# Allegro board zp-dic_pda_8ch_board_v001_166_20241018_1809.brd (continued)
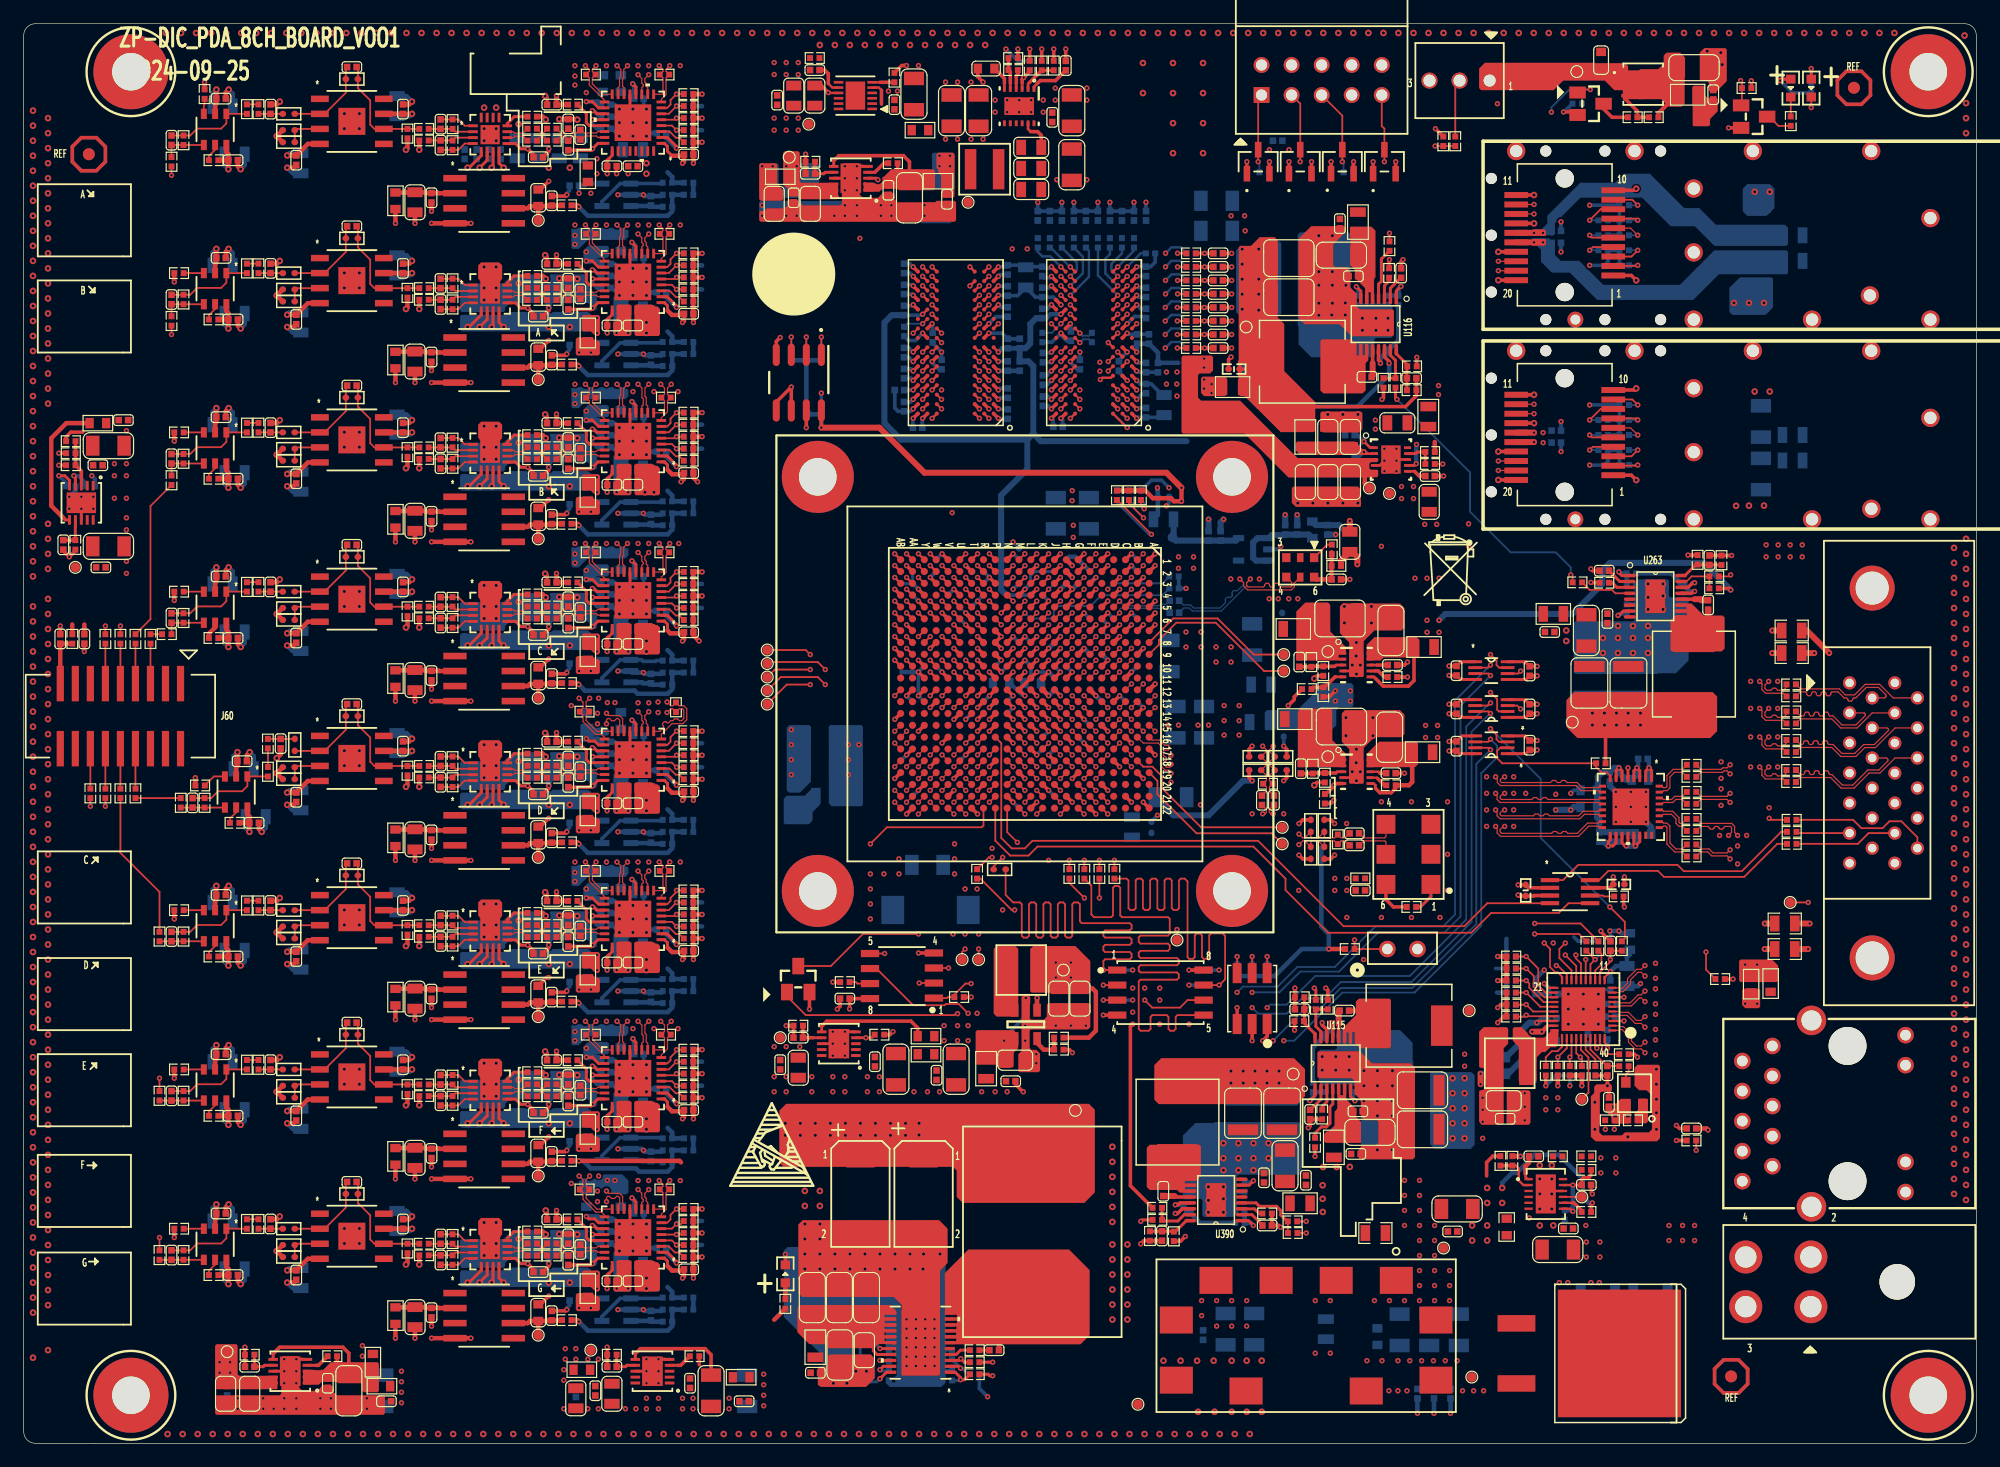
[diagram p0: board, top side]
## Routing (per net, layer and track width the routed paths; a pad name or vN(x,y) marks a point on that pad's centre or on a via; arc(x,y) is an arc through that point) (continued)
N23657901: length 2.4
  TOP w0.254: U341.4 4.37,81.65 v1(4.24,81.79)
  BOTTOM w0.305: R2668.2 5.23,81.17 4.62,81.79 v1(4.24,81.79)
N23657909: length 2.7
  TOP w0.254: U341.5 3.87,81.39 3.48,81.79 v1(2.97,81.79)
  BOTTOM w0.305: v1(2.97,81.79) 3.58,81.17 R3180.2
N23657913: length 2.7
  TOP w0.254: R2672.1 4.36,77.47 4.37,77.48 U341.7
  TOP w0.305: R2672.1 C3087.2
N23664417: length 119
  TOP w0.152: Q10.1 64.5,37.78 66.09,36.2 78.64,36.2 78.76,36.32 v1(78.91,36.32) ; R3011.2 v1(119.91,82.78)
  ART03 w0.102: v1(119.91,82.78) 120.57,82.12 120.57,73.79 122.73,71.63 122.73,60.58 123.35,59.96 125,59.96 128.55,56.41 128.55,46.66 123.62,41.73 123.62,40.58 122.41,39.37 122.41,33.54 v1(121.76,32.89)
  ART08 w0.102: v1(78.91,36.32) 78.91,35.94 79.36,35.5 79.36,35.01 79.85,34.52 91.84,34.52 93.19,33.17 112.42,33.17 113.46,32.13 121.38,32.13 121.76,32.51 v1(121.76,32.89)
N23714361: length 2.3
  TOP w0.305: U390.12 97.34,20.82 97.26,20.91
  TOP w0.508: 97.26,20.91 C3387.2
N23714381: length 3.7
  TOP w0.254: U390.15 98.06,19.32 97.53,18.8 96.29,18.8 R3201.2 R3188.2
N23714562: length 3
  TOP w0.254: v1(103.91,18.42) 103.5,18.82 U390.1
  BOTTOM w0.381: v1(103.91,18.42) 103.68,18.64 R3192.1 R3193.2
N23714578: length 2.1
  TOP w0.254: C3393.1 104.68,18.44 103.79,19.32 U390.2
N23714614: length 3.8
  TOP w0.254: R3191.1 C3392.1 97.16,17.93 R3197.1 97.32,17.9 98.25,18.82 U390.16
N23714631: length 7
  TOP w0.305: v1(97.31,20.16) 97.44,20.16 97.47,20.19 97.58,20.19 97.71,20.32 U390.13
  BOTTOM w0.381: R3192.2 99.41,18.64 C3394.1 97.88,20.16 v1(97.31,20.16)
N23714691: length 1.9
  TOP w0.254: U390.3 104,19.82 104.4,19.43 R3195.1
N23714693: length 1.9
  TOP w0.254: U390.7 103.55,21.82 v1(103.92,22.19)
  BOTTOM w0.305: v1(103.92,22.19) 103.79,22.07 R3196.2
N23716769: length 5.8
  TOP w0.152: R3189.2 106.82,17.79 R3198.2
  TOP w0.254: U390.4 104.14,20.32 104.43,20.04 105.87,20.04 106.22,19.69 106.22,19.3 106.76,18.77 R3189.2
N23718317: length 1.5
  TOP w0.356: R1198.1 138.14,112.44 138.93,113.23
N23718389: length 3.2
  TOP w0.305: Q20.4 135.3,113.67 136.36,112.61 R2129.1 R1198.2
N23718426: length 2.8
  TOP w0.305: R2129.2 134.21,112.09 133.5,112.8 Q21.3
N23718455: length 3
  TOP w0.152: v1(132.38,114.43) 132.37,114.44 131.56,114.44 Q21.1
  BOTTOM w0.152: R1196.1 R1197.1 131.71,114.43 v1(132.38,114.43)
N23721389: length 14.4
  TOP w0.152: TP158.1 104.82,65.28 100.74,69.36 97.39,69.36 95.93,67.9 95.93,67.52 U1.A9
N23721398: length 13.5
  TOP w0.152: U1.A8 97.14,69.72 100.88,69.72 103.93,66.68 TP159.1
N23755096: length 9.9
  TOP w0.254: U391.6 21.08,7.57
  TOP w0.305: 21.08,7.57 21.64,8.13 26.97,8.13 27.48,7.62 C3413.1 ; 26.48,6.62 R3204.2
N23755194: length 2
  TOP w0.254: 24.68,6.6 U391.4
  TOP w0.305: 24.68,6.6 24.91,6.6 R3204.1
N23755206: length 2.6
  TOP w0.254: U391.7 20.36,6.6 20.24,6.48 C3418.1 R3203.1
N23756584: length 2
  TOP w0.203: U392.5 72.27,114.59 72.49,114.38
  TOP w0.305: 72.49,113.21 72.49,114.38
N23756696: length 1.9
  TOP w0.203: U392.6 72.35,115.04
  TOP w0.305: 72.35,115.04 73.58,115.04 R3205.2
N23756700: length 2.7
  TOP w0.203: U392.8 68.33,114.59 67.99,114.94
  TOP w0.305: C3424.1 67.69,116.08 67.99,115.77 67.99,114.94
N23798265: length 2.8
  TOP w0.229: 85.1,110.87 84.87,111.1 U236.11
  TOP w0.305: 85.1,110.87 85.68,110.87 85.99,110.57 C2089.1
N23798472: length 2.1
  TOP w0.229: U236.6 82.87,114.95
  TOP w0.305: C2087.1 82.87,115.36 82.87,114.95
N23798476: length 1.7
  TOP w0.229: U236.4 83.87,114.94
  TOP w0.305: 83.87,114.94 83.87,115.57 84.01,115.72 R1882.1
N23798530: length 2.7
  TOP w0.229: U236.5 83.37,114.96
  TOP w0.305: 83.37,114.96 83.37,115.92 R1882.2 R1883.1
N23798539: length 3.4
  TOP w0.229: U236.1 85.37,114.66 85.64,114.94
  TOP w0.305: C2088.2 87.19,115.19 85.9,115.19 85.64,114.94
N23798561: length 2.7
  TOP w0.229: U236.3 84.37,114.98
  TOP w0.305: R1885.2 85.01,115.95 v1(84.5,115.44) 84.37,115.31 84.37,114.98
  BOTTOM w0.305: v1(84.5,115.44) 85.01,115.95 R1885.2
N23813860: length 3.4
  TOP w0.152: J60.3 R2651.2
N23814056: length 3.4
  TOP w0.152: J60.15 R3254.2
N23814140: length 3.4
  TOP w0.152: J60.4 R2652.2
N23814224: length 3.4
  TOP w0.152: J60.14 R3253.2
N23814369: length 3.4
  TOP w0.152: J60.5 R2653.2
N23814372: length 3.4
  TOP w0.152: 6.9,64.22 R2654.2
N23814379: length 3.4
  TOP w0.152: J60.12 R3251.2
N23814382: length 3.4
  TOP w0.152: 6.9,58.72 R3252.2
N23828553: length 9.6
  TOP w0.254: U127.6 68.45,108.41
  TOP w0.305: C3051.1 74.85,108.33 74.34,108.84 68.88,108.84 68.45,108.41 ; 73.85,107.55 R3255.1
N23828667: length 2
  TOP w0.254: 71.92,107.43 U127.4
  TOP w0.305: 71.92,107.43 72.69,108.2 R3255.2
N23828679: length 2.6
  TOP w0.254: R2254.1 C3015.1 67.61,107.32 67.73,107.43 U127.7
N23834386: length 3.8
  TOP w0.152: U345.2 36.48,57.02 R3260.1 C3523.1 R3261.2
N23834390: length 3
  TOP w0.152: C3523.2 R3260.2 36.73,58.06 37.27,57.52 U345.1
N23834446: length 3.8
  TOP w0.152: R3262.2 C3524.1 R3263.1 36.48,56.52 U345.3
N23834468: length 3
  TOP w0.152: U345.4 37.27,56.02 36.73,55.48 R3263.2 C3524.2
N23835709: length 3.8
  TOP w0.152: R3265.2 C3525.1 R3264.1 36.48,83.94 U349.2
N23835713: length 3
  TOP w0.152: C3525.2 R3264.2 36.73,84.98 37.27,84.44 U349.1
N23835769: length 3.8
  TOP w0.152: R3266.2 C3526.1 R3267.1 36.48,83.44 U349.3
N23835791: length 3
  TOP w0.152: C3526.2 R3267.2 36.73,82.4 37.27,82.94 U349.4
N23836504: length 3.8
  TOP w0.152: R3269.2 C3527.1 R3268.1 36.48,43.56 U352.2
N23836508: length 3
  TOP w0.152: C3527.2 R3268.2 36.73,44.6 37.27,44.06 U352.1
N23836564: length 3.8
  TOP w0.152: R3270.2 C3528.1 R3271.1 36.48,43.06 U352.3
N23836586: length 3
  TOP w0.152: U352.4 37.27,42.56 36.73,42.02 R3271.2 C3528.2
N23837542: length 3.8
  TOP w0.152: U355.2 36.48,97.4 R3272.1 C3529.1 R3273.2
N23837546: length 3
  TOP w0.152: C3529.2 R3272.2 36.73,98.44 37.27,97.91 U355.1
N23837602: length 3.8
  TOP w0.152: U355.3 36.48,96.91 R3275.1 C3530.1 R3274.2
N23837624: length 3
  TOP w0.152: U355.4 37.27,96.4 36.73,95.87 R3275.2 C3530.2
N23838396: length 3.8
  TOP w0.152: R3277.2 C3531.1 R3276.1 36.48,30.09 U359.2
N23838400: length 3
  TOP w0.152: C3531.2 R3276.2 36.73,31.13 37.27,30.6 U359.1
N23838456: length 3.8
  TOP w0.152: U359.3 36.48,29.6 R3279.1 C3532.1 R3278.2
N23838478: length 3
  TOP w0.152: C3532.2 R3279.2 36.73,28.56 37.27,29.09 U359.4
N23839613: length 3.8
  TOP w0.152: U360.2 36.48,110.87 R3280.1 C3533.1 R3281.2
N23839617: length 3
  TOP w0.152: C3533.2 R3280.2 36.73,111.91 37.27,111.37 U360.1
N23839673: length 3.8
  TOP w0.152: R3282.2 C3534.1 R3283.1 36.48,110.37 U360.3
N23839695: length 3
  TOP w0.152: C3534.2 R3283.2 36.73,109.33 37.27,109.87 U360.4
N23840487: length 3.8
  TOP w0.152: R3285.2 C3535.1 R3284.1 36.48,16.63 U364.2
N23840491: length 3
  TOP w0.152: U364.1 37.27,17.13 36.73,17.67 R3284.2 C3535.2
N23840547: length 3.8
  TOP w0.152: U364.3 36.48,16.13 R3287.1 C3536.1 R3286.2
N23840569: length 3
  TOP w0.152: C3536.2 R3287.2 36.73,15.09 37.27,15.63 U364.4

## Copper pours and planes (outline as drawn; the poured copper is in the pictures)
GND on TOP (solid shape): 113.12,87.1 113.12,85.7 112.87,85.45 109.82,85.45 109.57,85.7 109.57,87.1 109.68,87.21 113.01,87.21
GND on TOP (solid shape): 113,80.62 113,79.22 112.93,79.16 107.5,79.16 107.15,79.5 107.15,80.75 107.28,80.87 112.74,80.87
GND on TOP (solid shape): 148.26,40.39 148.26,39.12 148.13,38.99 145.08,38.99 144.95,39.12 144.95,40.77 145.08,40.89 147.75,40.89
GND on TOP (solid shape): 143.91,117.81 143.91,115.14 143.02,114.25 142.52,114.25 142.39,114.38 142.39,115.01 142.26,115.14 141.75,115.14 141.63,115.27 141.63,117.55 142.01,117.93 143.79,117.93
GND on TOP (solid shape): 116.68,70.61 116.68,68.96 116.43,68.71 114.14,68.71 113.24,67.81 113.24,67.58 113.23,67.56 113.23,64.9 113.12,64.8 112.11,64.8 112.01,64.9 112.01,67.69 111.22,68.48 111.22,70.74 111.47,70.99 116.3,70.99
GND on TOP (solid shape): 116.68,61.6 116.68,59.94 116.43,59.69 114.14,59.69 113.24,58.79 113.24,58.56 113.23,58.55 113.23,55.88 113.12,55.78 112.11,55.78 112.01,55.88 112.01,58.67 111.38,59.3 111.38,61.71 111.65,61.98 116.3,61.98
GND on TOP (solid shape): 85.06,37.72 85.06,37.11 85.01,37.06 85.01,35.94 85.13,35.81 86.2,35.81 86.45,36.07 86.45,37.08 86.58,37.21 90.01,37.21 90.14,37.08 90.14,35.18 89.93,34.98 85.11,34.98 85.01,34.87 85.01,33.43 85.17,33.26 85.58,33.26 85.88,32.96 85.88,31.5 85.76,31.37 84.17,31.37 84.04,31.5 84.04,32.89 84.32,33.17 84.32,37.74 84.42,37.85 84.93,37.85
GND on TOP (solid shape): 111.71,102.77 111.71,102.39 110.66,101.35 110.66,99.57 110.79,99.44 111.74,99.44 112.11,99.07 112.11,97.71 112.64,97.18 112.63,97.12 112.63,96.43 112.64,96.37 112.64,96.11 112.89,95.86 115.66,95.86 115.79,95.73 115.79,93.7 115.66,93.57 112.2,93.57 111.18,94.59 108.25,94.59 107.73,95.11 107.73,101.82 108.8,102.89 111.59,102.89
GND on TOP (solid shape): 113.92,32.13 117.19,32.13 117.57,31.75 117.57,24.18 117.39,24 112.95,24 112.82,24.13 112.82,24.89 113.08,25.15 114.22,25.15 114.47,25.4 114.47,27.18 114.35,27.31 113.38,27.31 113,27.69 113,29.01 112.47,29.54 112.47,29.6 112.47,30.29 112.47,30.35 112.47,30.61 112.21,30.86 109.44,30.86 109.31,30.99 109.31,33.02 109.44,33.15 112.91,33.15
GND on TOP (solid shape): 23.14,7.37 23.16,7.36 23.18,7.35 23.27,7.25 23.28,7.24 23.29,7.22 23.29,6.2 23.29,4.97 23.29,4.72 23.29,4.7 23.3,4.68 23.53,4.46 23.54,4.45 23.56,4.45 24.79,4.45 24.81,4.45 24.83,4.46 25.3,4.94 25.32,4.95 25.34,4.95 25.93,4.95 25.95,4.95 25.97,4.94 26.19,4.71 26.21,4.7 26.21,4.68 26.21,4.34 26.21,4.32 26.22,4.3 26.45,4.08 26.46,4.07 26.48,4.06 28.64,4.06 30,4.06 30.38,4.06 30.4,4.06 30.41,4.05 30.51,3.95 30.52,3.94 30.53,3.92 30.53,2.56 30.52,2.54 30.51,2.53 30.41,2.43 30.4,2.42 30.38,2.41 16.32,2.41 16.3,2.42 16.29,2.43 16.19,2.53 16.18,2.54 16.18,2.56 16.18,3.92 16.18,3.94 16.19,3.95 16.29,4.05 16.3,4.06 16.32,4.06 21.62,4.06 21.64,4.07 21.65,4.08 21.75,4.18 21.76,4.19 21.76,4.21 21.76,4.59 21.76,5.97 21.76,7.22 21.77,7.24 21.78,7.25 21.88,7.35 21.89,7.36 21.91,7.37
GND on TOP (solid shape): outline of 100 points within 62.15,103.25 78.79,108.2
GND on BOTTOM (solid shape): 66.51,60.58 66.51,55.93 65.58,54.99 64.69,54.99 64.48,55.2 64.48,60.5 64.69,60.71 66.39,60.71
GND on BOTTOM (solid shape): 107.98,26.89 107.98,22.83 107.86,22.7 102.65,22.7 102.52,22.58 102.52,19.4 102.27,19.15 99.73,19.15 99.6,19.27 99.6,20.54 99.47,20.67 98.08,20.67 97.95,20.8 97.95,26 99.03,27.08 100.55,27.08 100.62,27.15 107.73,27.15
GND on BOTTOM (solid shape): 139.04,72.9 139.04,71.63 139.16,71.5 140.56,71.5 140.69,71.38 140.69,66.17 139.61,65.09 138.08,65.09 138.02,65.03 131.11,65.03 130.99,65.15 130.98,65.15 130.98,69.35 131.11,69.47 135.99,69.47 136.11,69.6 136.11,72.77 136.37,73.03 138.91,73.03
GND on BOTTOM (solid shape): 112.11,102.19 112.11,96.49 112.23,96.37 115.41,96.37 115.66,96.11 115.66,93.57 115.54,93.45 114.27,93.45 114.14,93.32 114.14,91.92 114.01,91.8 108.81,91.8 107.73,92.88 107.73,94.4 107.66,94.46 107.66,102.15 107.87,102.36 111.93,102.36
GND on BOTTOM (solid shape): 117.38,33.85 117.38,32.32 117.44,32.26 117.44,24.69 117.31,24.55 113.46,24.55 113,25.02 113,30.23 112.87,30.35 109.69,30.35 109.44,30.61 109.44,33.15 109.57,33.27 110.84,33.27 110.96,33.4 110.96,34.8 111.09,34.93 116.3,34.93
GND on BOTTOM (solid shape): outline of 91 points within 64.23,4.77 77.91,16.6
GND on TOP: 64.69,31.37 64.18,31.88 63.29,31.88 63.17,31.75 63.17,29.46 63.29,29.34 79.8,29.34 79.93,29.46 79.93,30.86 79.8,30.99 72.82,30.99 72.56,31.24 72.56,32 72.44,32.13 69.77,32.13 69.64,32.26 69.64,34.93 69.52,35.05 68.25,35.05 68.12,34.93 68.12,31.62 67.86,31.37
GND on TOP: 7.92,75.06 7.54,74.68 6.78,74.68 6.65,74.55 6.65,73.41 6.78,73.28 9.06,73.28 9.19,73.41 9.19,86.74 9.06,86.87 8.68,86.87 8.56,86.74 8.56,85.98 8.43,85.85 8.3,85.85 8.05,85.6 8.05,85.47 7.67,85.09 7.67,83.44 7.41,83.19 6.52,83.19 6.4,83.06 6.4,80.39 6.27,80.26 3.73,80.26 3.6,80.14 3.6,78.87 3.73,78.74 7.67,78.74 7.92,78.49
GND on TOP: 137.89,68.55 137.89,65.28 137.51,64.9 131.34,64.9 129.08,67.16 129.08,68.83 129.21,68.96 133.07,68.96 133.57,69.47 134.77,69.47 135.3,70 135.36,70 136.05,70 136.11,70 136.37,70 136.62,70.25 136.62,73.03 136.75,73.16 138.78,73.16 138.91,73.03 138.91,69.56
GND on TOP: 163.24,19.94 163.24,44.96 162.48,45.72 162.48,76.2 162.86,76.58 163.5,76.58 163.75,76.84 164.26,76.84 164.49,76.6 164.49,19.94
GND on TOP: 108,76.84 107.11,75.95 107.11,74.68 106.98,74.55 102.79,74.55 102.15,73.91 101.77,73.91 101.52,74.17 101.52,76.2 102.41,77.09 106.09,77.09 106.22,77.22 106.22,78.49 106.35,78.61 107.74,78.61 108,78.36
GND on TOP: 49.07,3.81 52.24,3.81 52.37,3.94 52.37,7.24 52.5,7.37 53.77,7.37 53.89,7.24 53.89,4.7 54.15,4.45 55.42,4.45 55.93,4.95 56.56,4.95 56.82,4.7 56.82,4.32 57.07,4.06 60.63,4.06 60.75,3.94 60.75,2.54 60.63,2.41 45.51,2.41 45.39,2.54 45.39,3.3 45.51,3.43 47.42,3.43 47.67,3.68 47.67,4.19 47.8,4.32 48.56,4.32
GND on TOP: 100.74,23.63 100.74,26.89 101.12,27.27 107.3,27.27 108.27,26.31 108.27,24.75 108.63,24.38 108.63,22.48 108.5,22.35 108.12,22.35 108,22.48 108,23.08 107.87,23.21 105.57,23.21 105.06,22.7 103.86,22.7 103.34,22.17 103.27,22.18 102.59,22.18 102.52,22.17 102.27,22.17 102.01,21.92 102.01,19.15 101.89,19.02 99.85,19.02 99.73,19.15 99.73,22.61
GND on TOP: 67.61,114.3 64.31,114.3 64.18,114.17 64.18,113.79 64.05,113.67 63.17,113.67 63.04,113.79 63.04,117.35 63.17,117.48 66.59,117.48 66.72,117.35 66.72,115.57 66.85,115.44 67.61,115.44 67.74,115.32 67.74,114.43
GND on TOP: 95.85,15.49 103.3,15.49 103.68,15.11 103.68,9.53 103.04,8.89 95.98,8.89 95.72,9.14 95.72,15.37
GND on TOP: 87.17,107.57 87.04,107.44 87.04,106.3 87.17,106.17 90.09,106.17 90.22,106.3 90.22,107.44 90.09,107.57
GND on TOP: 74.09,114.43 73.96,114.55 72.94,114.55 72.82,114.43 72.82,113.41 72.94,113.28 73.96,113.28 74.09,113.41
GND on TOP: 119.58,77.58 119.58,79.02 119.45,79.15 118.08,79.15 117.9,78.97 117.9,77.58 118.11,77.37 119.38,77.37
GND on TOP: 51.35,109.6 51.23,109.73 50.21,109.73 50.08,109.6 50.08,108.38 49.83,108.13 49.83,107.19 49.96,107.06 51.23,107.06 51.35,107.19
GND on TOP: 107.11,48.77 107.11,52.71 107.36,52.96 107.74,52.96 108,52.71 108,49.02 109.9,47.12 112.7,47.12 112.82,46.99 112.82,45.09 113.2,44.7 119.17,44.7 120.06,45.59 120.06,51.31 119.81,51.56 118.16,51.56 118.03,51.69 118.03,53.47 117.9,53.59 113.84,53.59 112.31,52.07 111.17,52.07 111.04,52.2 111.04,52.58 113.08,54.61 120.44,54.61 120.7,54.36 120.7,44.96 119.93,44.2 111.68,44.2
GND on TOP: 74.34,114.81 75.99,114.81 76.12,114.94 76.12,116.84 75.99,116.97 74.34,116.97 74.21,116.84 74.21,114.94
GND on TOP: 95.11,107.25 91.74,110.62 91.74,118.49 91.36,118.87 11.73,118.87 11.6,119 11.6,119.36 11.73,119.49 164,119.49 164.35,119.35 164.49,119 164.49,110.74 164.16,110.41 161.8,110.41 153.34,118.87 135.05,118.87 133.52,117.35 132.76,117.35 131.24,118.87 101.65,118.87 101.27,118.49 101.27,107.95 100.57,107.25
GND on TOP: 82.6,113.92 81.2,115.32 77.14,115.32 77.01,115.19 77.01,113.54 77.14,113.41 81.2,113.41 81.83,112.78 81.83,112.4 81.96,112.27 83.61,112.27 83.74,112.14 83.74,111.38 83.87,111.25 84.37,111.25 84.5,111.38 84.5,112.14 84.63,112.27 87.3,112.27 87.42,112.4 87.42,113.16 87.55,113.28 90.09,113.28 90.22,113.41 90.22,114.81 90.09,114.94 86.66,114.94 85.64,113.92
GND on TOP: 0.55,6.86 0.51,6.9 0.51,112.98 0.55,113.03 1.44,113.03 2.33,112.14 2.33,87.5 1.19,86.36 1.19,79.25 2.33,78.11 2.33,7.75 1.44,6.86
GND on TOP: 114.07,85.45 115.52,85.45 115.65,85.57 115.65,86.94 115.47,87.12 114.07,87.12 113.87,86.92 113.87,85.65
GND on TOP: 104.06,0.76 104.06,1.02 103.93,1.14 11.86,1.14 11.73,1.02 11.73,0.64 11.86,0.51 103.81,0.51
GND on TOP: 40.43,113.03 40.43,111.89 40.25,111.71 40.25,109.91 40.18,109.83 38.65,109.83 38.58,109.91 38.58,111.7 38.58,111.73 38.4,111.91 38.4,113.03 38.65,113.28 40.18,113.28
GND on TOP: 101.52,76.2 101.52,73.03 103.42,71.12 107.74,71.12 108,71.37 108,71.5 113.84,71.5 114.22,71.88 114.22,78.11 113.71,78.61 106.98,78.61 106.85,78.49 106.85,76.84 107.11,76.58 111.04,76.58 111.17,76.71 111.17,77.6 111.3,77.72 112.82,77.72 113.33,77.22 113.33,73.53 113.2,73.41 112.06,73.41 111.93,73.28 111.93,72.64 111.68,72.39 108.12,72.39 107.49,71.76 103.3,71.76 102.28,72.77 102.28,76.2 102.15,76.33 101.65,76.33
GND on BOTTOM: 61.9,2.29 59.48,2.29 59.36,2.41 59.36,3.94 59.48,4.06 61.9,4.06 62.02,3.94 62.02,2.41
GND on BOTTOM: 87.01,99.21 85.34,99.21 85.16,99.03 84.07,99.03 83.76,99.34 82.8,99.34 82.64,99.19 82.16,99.19 82.06,99.29 82.06,101.04 82.26,101.24 84.98,101.24 85.16,101.07 85.16,100.23 85.51,99.87 86.83,99.87 87.09,99.62 87.09,99.29
GND on BOTTOM: 97.84,55.5 99.74,55.5 99.87,55.37 99.87,53.59 99.74,53.47 97.96,53.47 97.84,53.59
GND on BOTTOM: 124.68,34.04 125.06,34.04 125.19,34.16 125.19,35.31 124.81,35.69 124.81,37.08 124.68,37.21 124.55,37.21 124.3,36.96 124.3,34.42
GND on BOTTOM: 145.64,89.55 147.56,89.55 147.95,89.17 147.95,87.53 147.29,86.88 145.64,86.88 145.25,87.26 145.25,89.17
GND on BOTTOM: 126.46,31.24 126.46,28.32 126.59,28.19 127.86,28.19 127.98,28.32 127.98,31.24 127.86,31.37 126.59,31.37
GND on BOTTOM: 66.09,31.37 63.17,31.37 63.04,31.24 63.04,29.59 63.17,29.46 66.09,29.46 66.21,29.59 66.21,31.24
GND on BOTTOM: 52.88,113.16 50.21,113.16 50.08,113.03 50.08,110.62 49.83,110.36 49.83,107.19 49.96,107.06 51.23,107.06 51.35,107.19 51.35,107.7 51.1,107.95 51.1,109.98 51.35,110.24 52.88,110.24 53.01,110.36 53.01,113.03
GND on BOTTOM: 78.91,47.24 79.04,47.37 81.07,47.37 81.2,47.24 81.2,42.93 81.07,42.8 79.04,42.8 78.91,42.93
GND on BOTTOM: 96.44,59.06 96.44,60.07 96.31,60.2 96.31,60.71 96.57,60.96 100.5,60.96 100.63,60.83 100.63,59.06 100.5,58.93 96.57,58.93
GND on BOTTOM: 147.69,81.67 145.02,81.67 144.14,80.79 144.14,78.75 144.39,78.5 147.18,78.5 147.82,79.13 147.82,81.55
GND on BOTTOM: 81.45,113.41 77.52,113.41 77.39,113.54 77.39,115.19 77.52,115.32 81.45,115.32 81.58,115.19 81.58,113.54
GND on BOTTOM: 97.71,67.31 95.8,67.31 95.3,66.8 94.64,66.8 94.41,67.03 94.41,68.33 94.59,68.5 94.59,69.04 94.36,69.27 94.36,69.34 94.48,69.47 97.58,69.47 97.84,69.22 97.84,67.44
GND on BOTTOM: 137.33,24.89 137.59,24.64 143.3,24.64 143.56,24.89 143.56,39.5 143.94,39.88 150.8,39.88 151.43,40.51 151.43,69.34 150.92,69.85 141.52,69.85 141.14,69.47 141.14,44.45 139.11,42.42 137.84,42.42 137.33,41.91
GND on BOTTOM: 40.56,109.09 40.69,109.22 40.69,109.47 41.07,109.86 43.99,109.86 44.12,109.73 44.12,109.35 44.24,109.22 44.5,109.22 44.62,109.35 44.62,109.73 44.75,109.86 47.67,109.86 47.8,109.73 47.8,109.35 47.93,109.22 48.31,109.22 48.43,109.35 48.43,110.49 47.8,111.13 47.8,112.14 47.67,112.27 41.32,112.27 40.56,111.51 37,111.51 36.88,111.38 36.88,109.22 37,109.09
GND on BOTTOM: 90.64,81.28 86.45,81.28 86.07,80.9 86.07,79.5 86.33,79.25 90.77,79.25 91.03,79.5 91.03,80.9
GND on BOTTOM: 47.29,4.19 45.51,4.19 45.39,4.06 45.39,2.79 45.51,2.67 53.77,2.67 53.89,2.79 53.89,4.06 53.77,4.19 50.85,4.19 50.47,3.81 47.67,3.81
GND on BOTTOM: 103.81,72.01 107.74,72.01 108,71.76 108,70.87 106.98,69.85 105.84,69.85 104.69,68.71 102.66,68.71 102.66,70.87
GND on BOTTOM: 99.41,9.27 100.17,9.27 100.55,9.65 104.44,9.65 104.82,10.03 104.82,11.56 104.44,11.94 104.19,11.94 103.68,12.45 99.53,12.45 99.03,11.94 99.03,9.65
GND on BOTTOM: 129.38,38.48 129.38,34.04 129.51,33.91 131.03,33.91 131.41,34.29 132.94,34.29 133.32,34.67 134.08,34.67 134.21,34.8 134.21,35.43 133.95,35.69 133.95,37.47 134.59,38.1 136.62,38.1 136.87,38.35 136.87,39.12 136.75,39.24 134.97,39.24 134.46,38.74 129.63,38.74
GND on BOTTOM: 77.01,47.75 77.01,49.78 77.14,49.91 79.17,49.91 79.29,49.78 79.29,47.75 79.17,47.63 77.14,47.63
GND on BOTTOM: 105.84,116.97 105.58,117.22 103.04,117.22 102.79,116.97 102.79,109.22 102.92,109.09 105.71,109.09 105.84,109.22
GND on BOTTOM: 0.68,0.51 0.51,0.68 0.51,119.21 0.79,119.49 164.27,119.49 164.49,119.27 164.49,19.66 164.26,19.43 158.29,19.43 157.91,19.81 157.91,104.14 152.19,109.86 152.19,118.24 151.68,118.75 102.28,118.75 101.9,118.36 101.9,107.95 103.6,106.25 103.6,102.11 102.96,101.47 101.69,101.47 101.44,101.73 101.44,106.13 101.14,106.43 86.79,106.43 86.41,106.81 86.41,118.62 86.28,118.75 82.47,118.75 82.34,118.62 82.34,116.97 82.22,116.84 76.5,116.84 76.12,116.46 76.12,108.84 75.99,108.71 59.36,108.71 59.23,108.84 59.23,116.59 58.72,117.09 38.91,117.09 36.11,114.3 36.11,7.11 35.99,6.99 28.88,6.99 28.62,6.73 28.62,5.46 29.13,4.95 31.16,4.95 31.42,4.7 31.42,3.05 32.56,1.91 103.68,1.91 103.93,1.65 103.93,0.66 103.78,0.51 ; 3 cut-outs
GND on GND02: 164,119.49 164.35,119.35 164.49,119 164.49,19.94 143.56,19.94 137.97,25.53 122.98,25.53 121.4,23.94 113.27,23.94 110.16,20.83 110.16,17.27 109.52,16.64 104.19,16.64 103.68,16.13 103.68,12.45 104.19,11.94 104.69,11.94 105.96,10.67 105.96,2.67 103.81,0.51 6,0.51 6,0.51 0.81,0.51 0.51,0.81 0.51,119.21 0.79,119.49 ; 2 cut-outs
GND on ART03: outline of 117 points within 0.55,0.51 164.49,119.49
GND on GND04: 164,119.49 164.35,119.35 164.49,119 164.49,19.94 143.56,19.94 137.97,25.53 122.98,25.53 121.4,23.94 113.27,23.94 110.16,20.83 110.16,17.27 109.52,16.64 104.19,16.64 103.68,16.13 103.68,12.45 104.19,11.94 104.69,11.94 105.96,10.67 105.96,2.67 103.81,0.51 6,0.51 6,0.51 0.81,0.51 0.51,0.81 0.51,119.21 0.79,119.49 ; 2 cut-outs
GND on POWR05: 50.21,56.39 55.29,56.39 55.55,56.64 55.55,63.75 55.42,63.88 47.54,63.88 47.29,63.63 47.29,61.72 47.54,61.47 49.83,61.47 50.08,61.21 50.08,56.52
GND on POWR05: 55.29,10.29 47.42,10.29 47.29,10.16 47.29,5.46 47.42,5.33 55.16,5.33 55.42,5.59 55.42,10.16
GND on POWR05: 50.21,29.46 55.29,29.46 55.55,29.72 55.55,36.83 55.42,36.96 47.54,36.96 47.29,36.7 47.29,34.8 47.54,34.54 49.83,34.54 50.08,34.29 50.08,29.59
GND on POWR05: 50.21,69.85 55.29,69.85 55.55,70.1 55.55,77.22 55.42,77.34 47.54,77.34 47.29,77.09 47.29,75.18 47.54,74.93 49.83,74.93 50.08,74.68 50.08,69.98
GND on POWR05: 50.21,16 55.29,16 55.55,16.26 55.55,23.37 55.42,23.5 47.54,23.5 47.29,23.24 47.29,21.34 47.54,21.08 49.83,21.08 50.08,20.83 50.08,16.13
GND on POWR05: outline of 83 points within 0.51,0.51 164.49,119.49
GND on POWR05: 50.21,96.77 55.29,96.77 55.55,97.03 55.55,104.14 55.42,104.27 47.54,104.27 47.29,104.01 47.29,102.11 47.54,101.85 49.83,101.85 50.08,101.6 50.08,96.9
GND on POWR05: 50.21,42.93 55.29,42.93 55.55,43.18 55.55,50.29 55.42,50.42 47.54,50.42 47.29,50.17 47.29,48.26 47.54,48.01 49.83,48.01 50.08,47.75 50.08,43.05
GND on POWR05: 96.44,69.6 92.38,69.6 92.12,69.34 92.12,45.34 92.63,44.83 94.53,44.83 96.82,47.12 96.82,69.22
GND on POWR05: 50.21,83.31 55.29,83.31 55.55,83.57 55.55,90.68 55.42,90.81 47.54,90.81 47.29,90.55 47.29,88.65 47.54,88.39 49.83,88.39 50.08,88.14 50.08,83.44
GND on ART06: 164,119.49 164.35,119.35 164.49,119 164.49,19.94 143.56,19.94 139.37,24.13 139.37,35.56 138.73,36.2 92.38,36.2 92.12,36.45 92.12,47.5 93.01,48.39 97.46,48.39 103.42,54.36 103.42,79.76 109.01,85.34 109.01,101.85 108.5,102.36 69.01,102.36 61.51,94.87 61.51,10.03 59.86,8.38 49.96,8.38 47.54,5.97 31.8,5.97 28.88,8.89 25.95,8.89 24.81,7.75 24.81,2.67 25.57,1.91 64.82,1.91 65.83,2.92 65.83,27.18 67.23,28.58 119.55,28.58 121.97,26.16 121.97,24.64 121.33,24 113.33,24 110.16,20.83 110.16,17.27 109.52,16.64 104.19,16.64 103.68,16.13 103.68,12.45 104.19,11.94 104.69,11.94 105.96,10.67 105.96,2.67 103.81,0.51 0.81,0.51 0.51,0.81 0.51,119.21 0.79,119.49 ; 3 cut-outs
GND on GND07: 164,119.49 164.35,119.35 164.49,119 164.49,19.94 143.56,19.94 137.97,25.53 122.98,25.53 121.4,23.94 113.27,23.94 110.09,20.76 110.09,17.21 109.52,16.64 104.19,16.64 103.68,16.13 103.68,12.45 104.19,11.94 104.69,11.94 105.96,10.67 105.96,2.67 103.81,0.51 6,0.51 6,0.51 0.81,0.51 0.51,0.81 0.51,119.21 0.79,119.49 ; 2 cut-outs
GND on ART08: outline of 110 points within 0.51,0.51 164.51,119.49
GND on ART08: 126.67,30.61 109.27,30.61 107.87,29.21 94.92,29.21 94.53,28.83 94.53,18.67 95.17,18.03 107.62,18.03 107.87,18.29 107.87,24.77 110.03,26.92 122.09,26.92 123.49,25.53 136.32,25.53 136.44,25.65 136.44,38.86 136.06,39.24 128.06,39.24 127.55,38.74 127.55,31.5
GND on GND09: 164,119.49 164.35,119.35 164.49,119 164.49,19.94 143.56,19.94 137.97,25.53 122.98,25.53 121.4,23.94 113.27,23.94 110.16,20.83 110.16,17.27 109.52,16.64 104.19,16.64 103.68,16.13 103.68,12.45 104.19,11.94 104.69,11.94 105.96,10.67 105.96,2.67 103.81,0.51 6,0.51 6,0.51 0.81,0.51 0.51,0.81 0.51,119.21 0.79,119.49 ; 2 cut-outs
GND_EARTH on TOP: 108.76,8.13 110.79,8.13 111.04,7.87 111.04,2.67 111.81,1.91 156.26,1.91 157.4,3.05 157.4,5.97 159.18,7.75 162.35,7.75 164.13,5.97 164.13,1.78 163.24,0.89 109.9,0.89 108.5,2.29 108.5,7.87
GND_EARTH on BOTTOM: 108.76,8.13 110.79,8.13 111.04,7.87 111.04,2.67 111.81,1.91 156.26,1.91 157.27,2.92 157.27,6.54 158.42,7.68 162.8,7.68 164.13,6.35 164.13,2.29 162.73,0.89 109.9,0.89 108.5,2.29 108.5,7.87
GND_EARTH on BOTTOM: 110.92,9.27 111.04,9.14 111.04,7.49 110.92,7.37 109.01,7.37 108.89,7.49 108.89,9.14 109.01,9.27
GND_EARTH on GND02, ART03, GND04, POWR05, ART08, GND09: 154.22,1.91 160.07,7.75 162.61,7.75 163.75,6.6 163.75,2.41 162.23,0.89 109.9,0.89 108.5,2.29 108.5,7.75 108.89,8.13 110.79,8.13 111.04,7.87 111.04,2.67 111.81,1.91